# Altium PCB openmv-ae3.PcbDoc (part 1 of 7)
Units mil, origin at the board's own origin, x right, y up, seen from the top; angles counter-clockwise.
Board outline 1001 x 1001 mil, 8 copper layers (TOP, ART2, GND3, ART4, VCC5, GND6, ART7, BOTTOM), stack 65.6 mil thick; 246 components, 168 nets, 1013 pads, 1766 vias.
Unrouted connection lines stored in the file: 233.
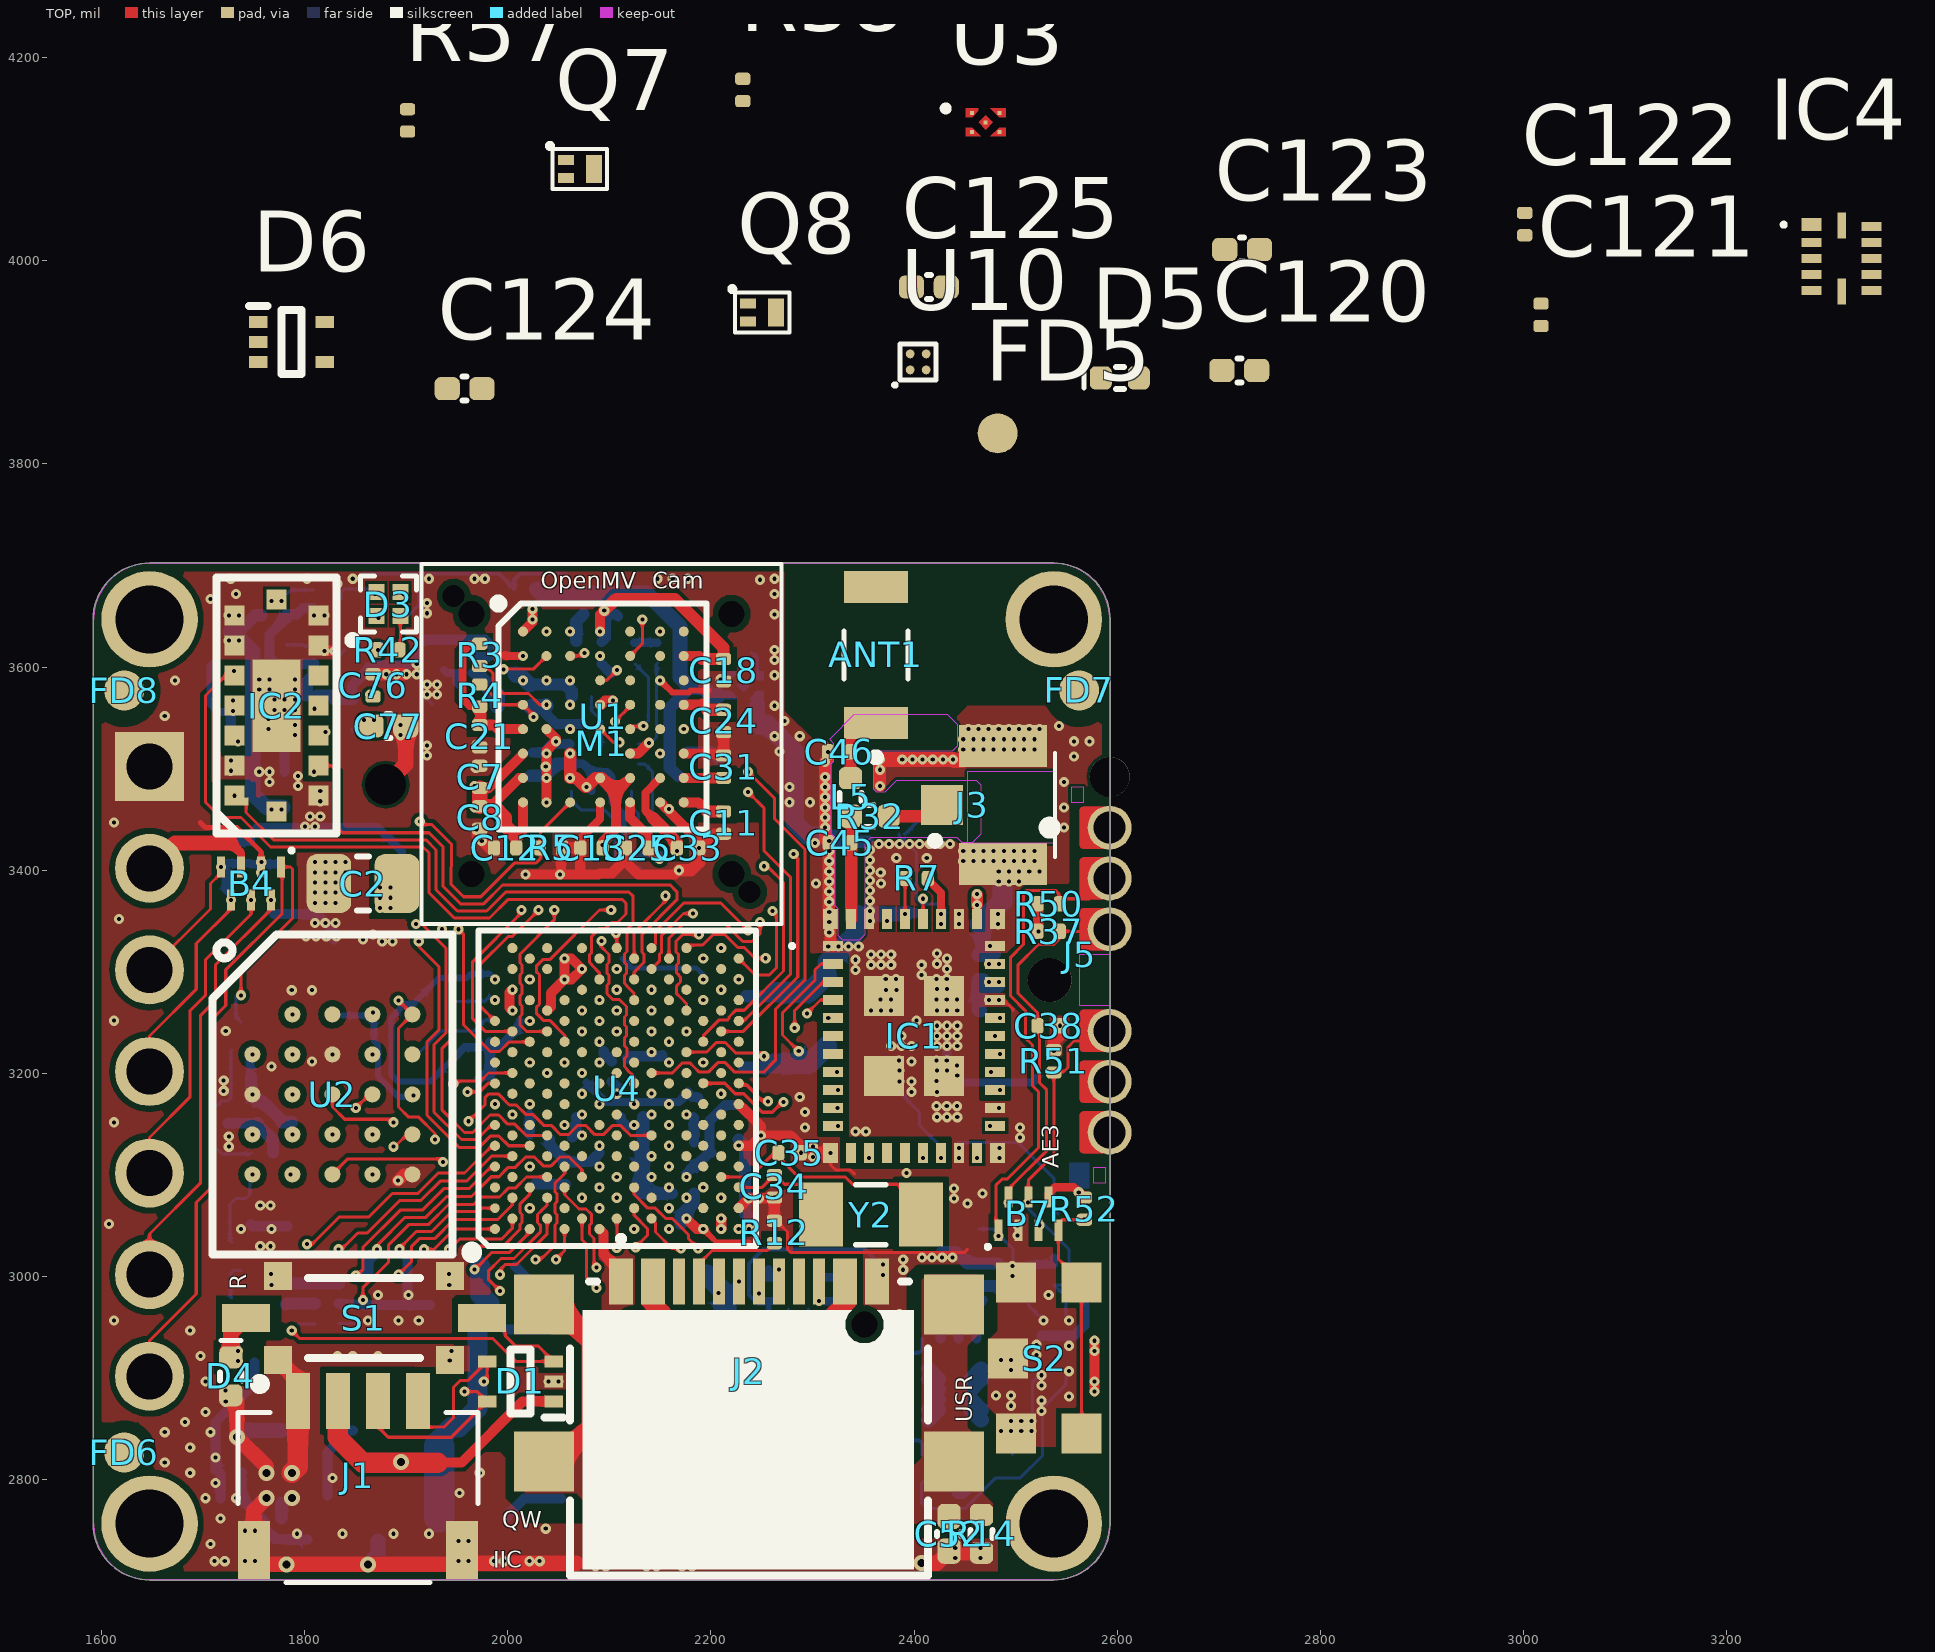
[diagram p0: TOP view]
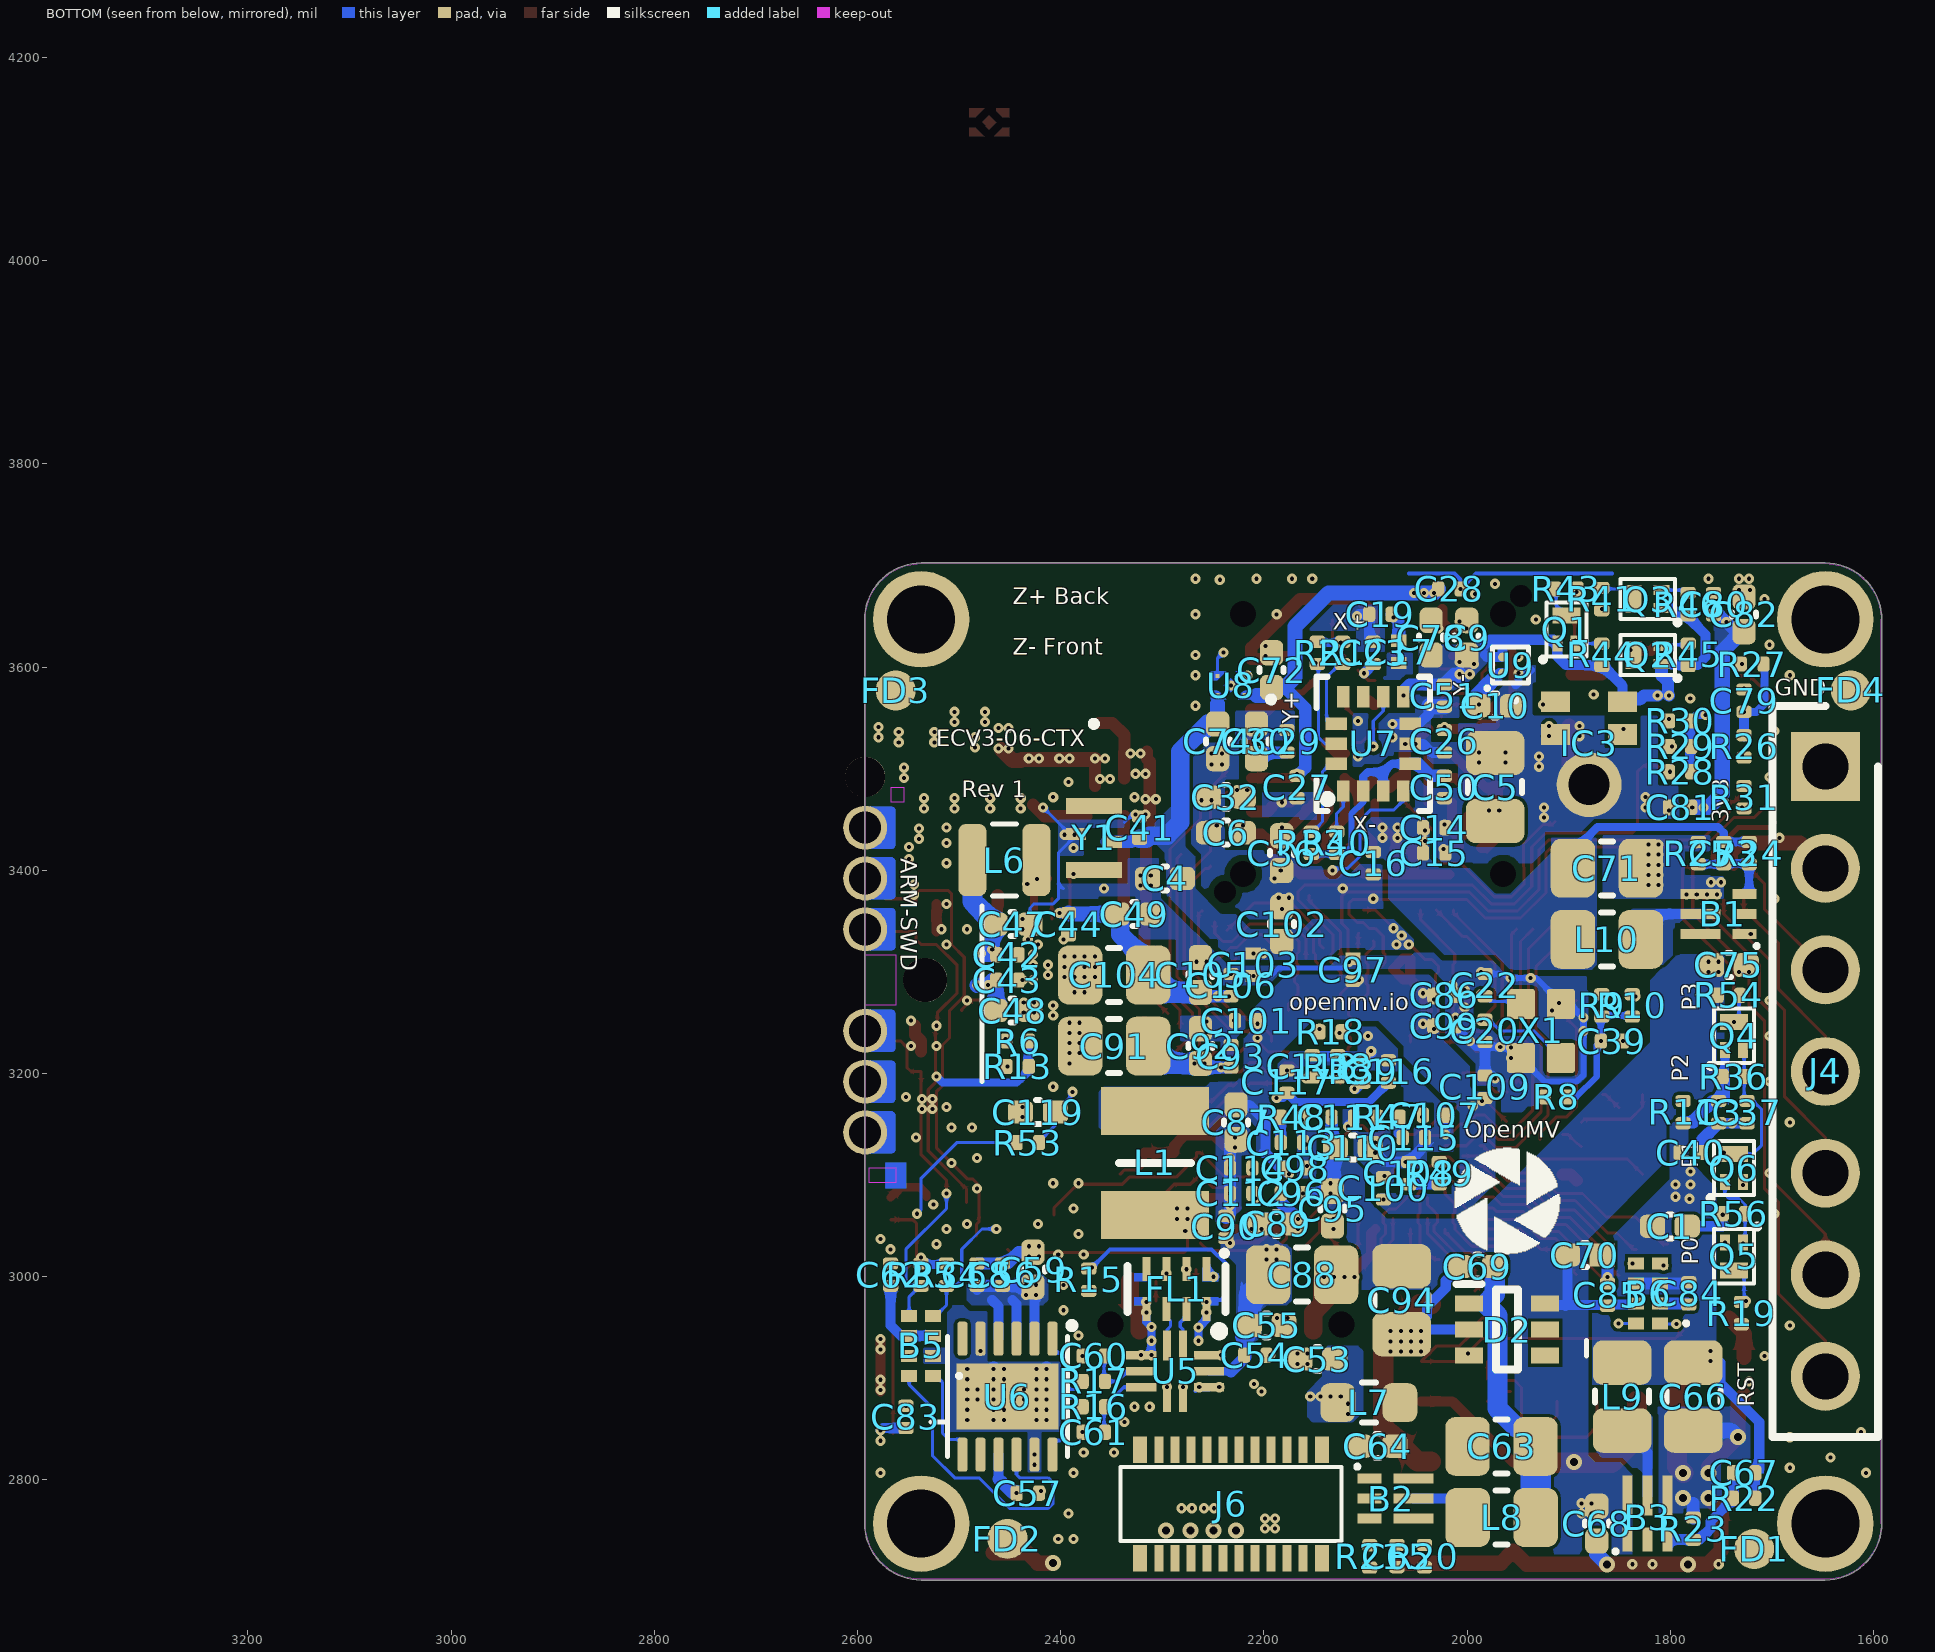
[diagram p1: BOTTOM view, seen from below]
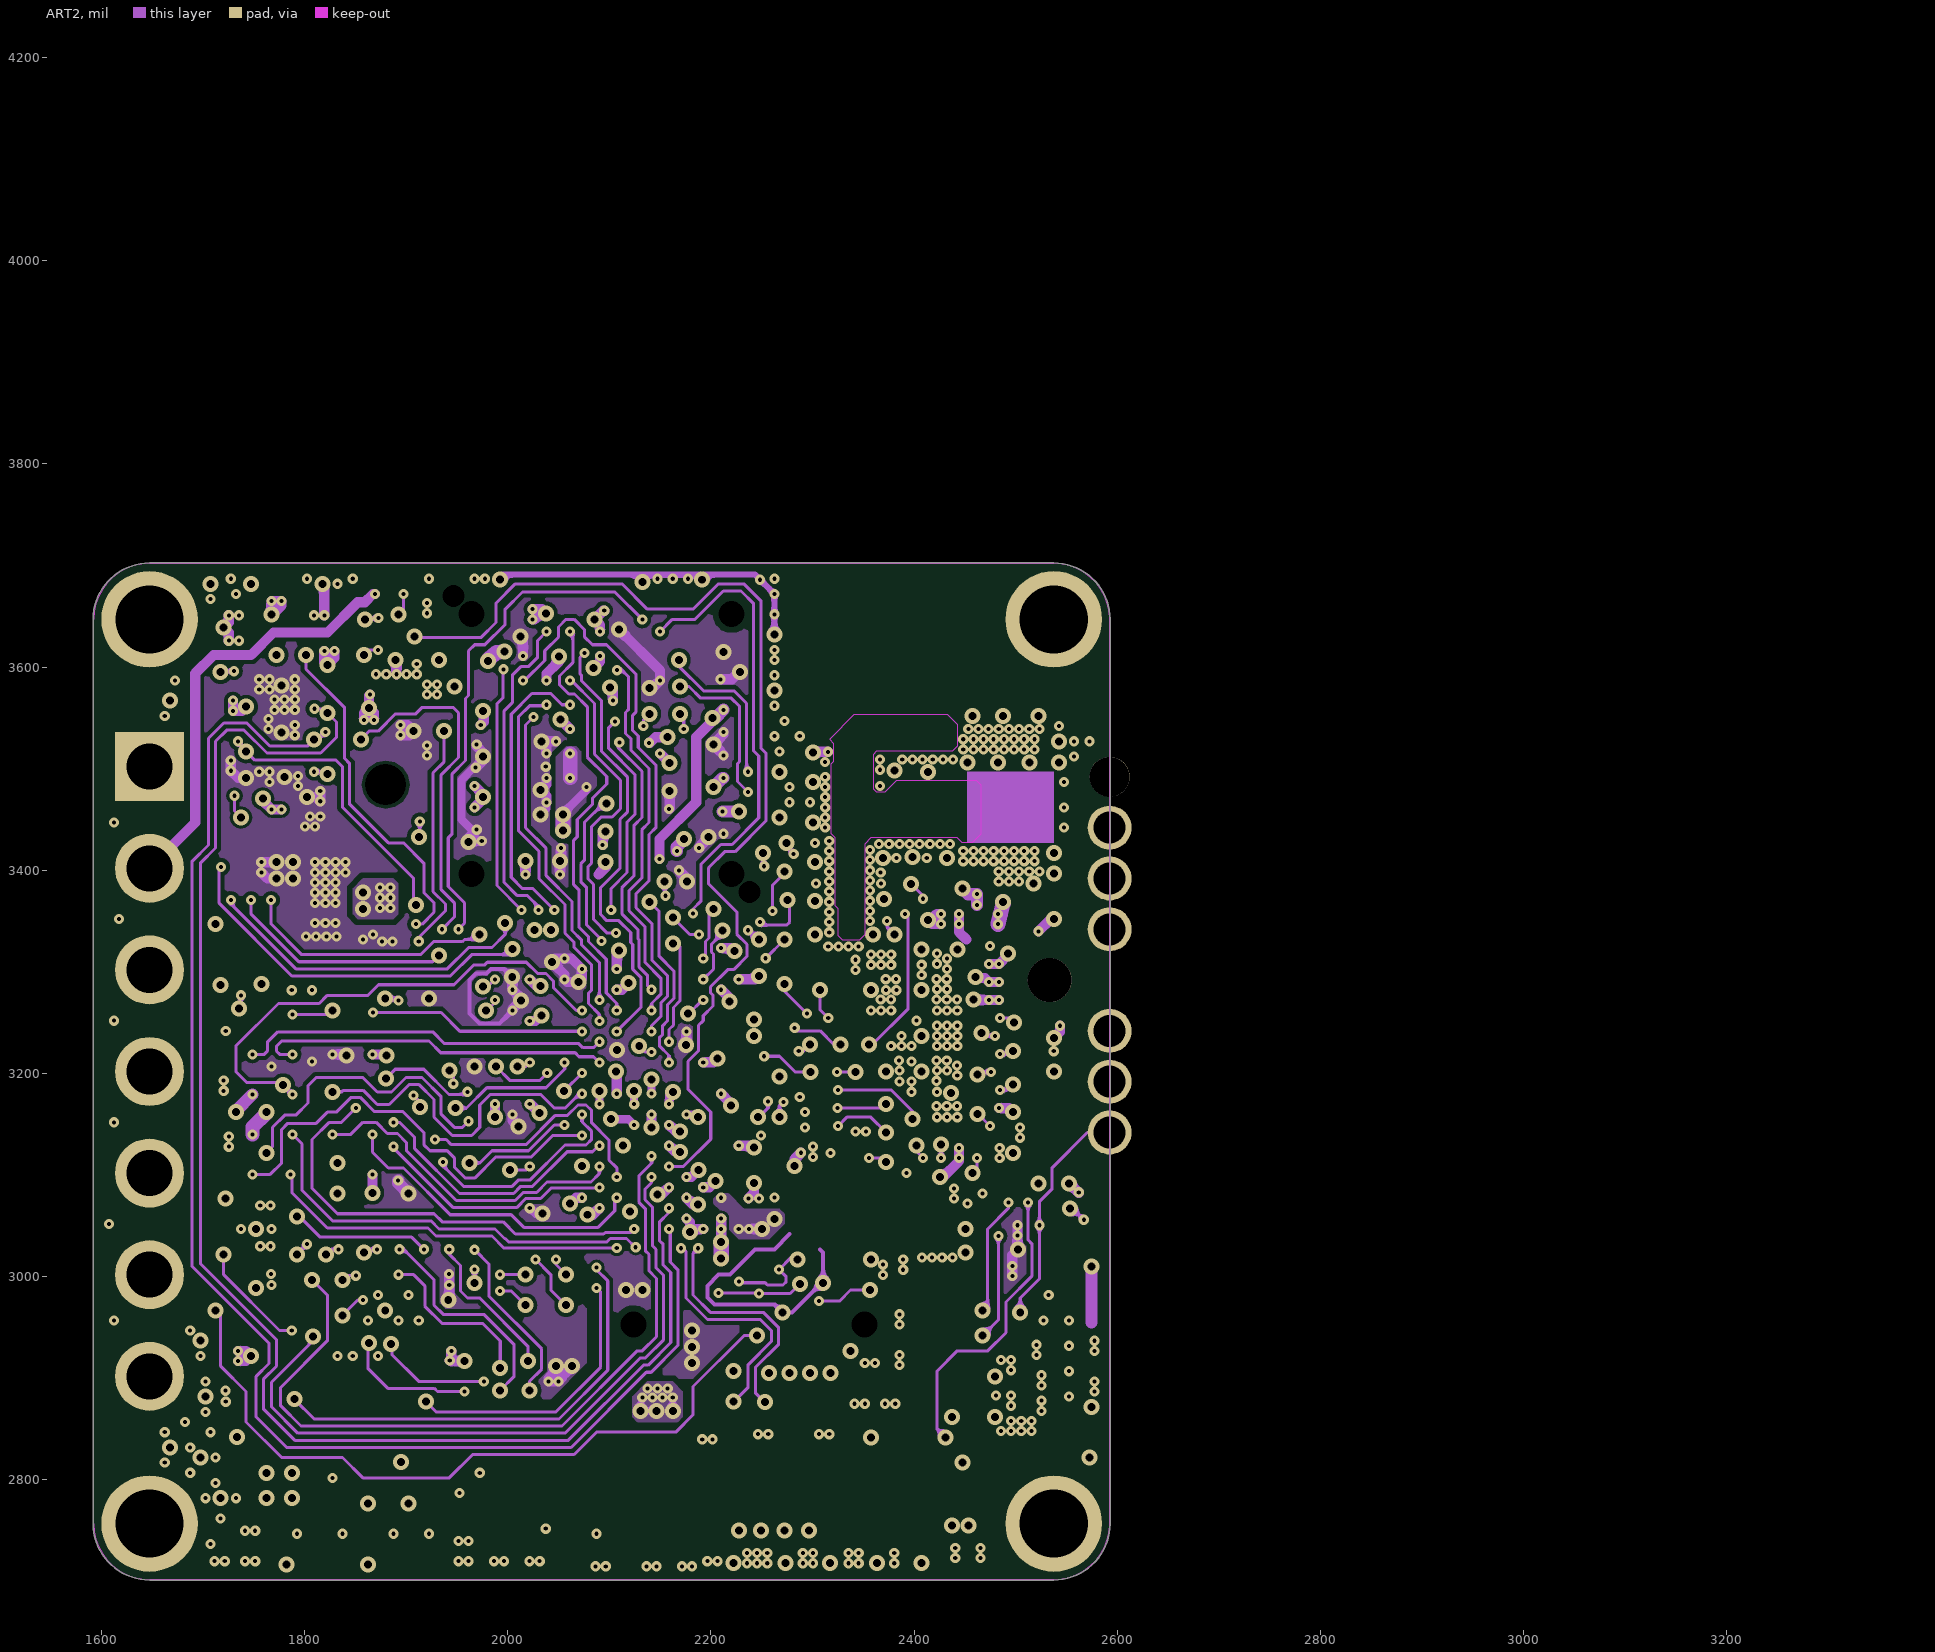
[diagram p2: ART2]
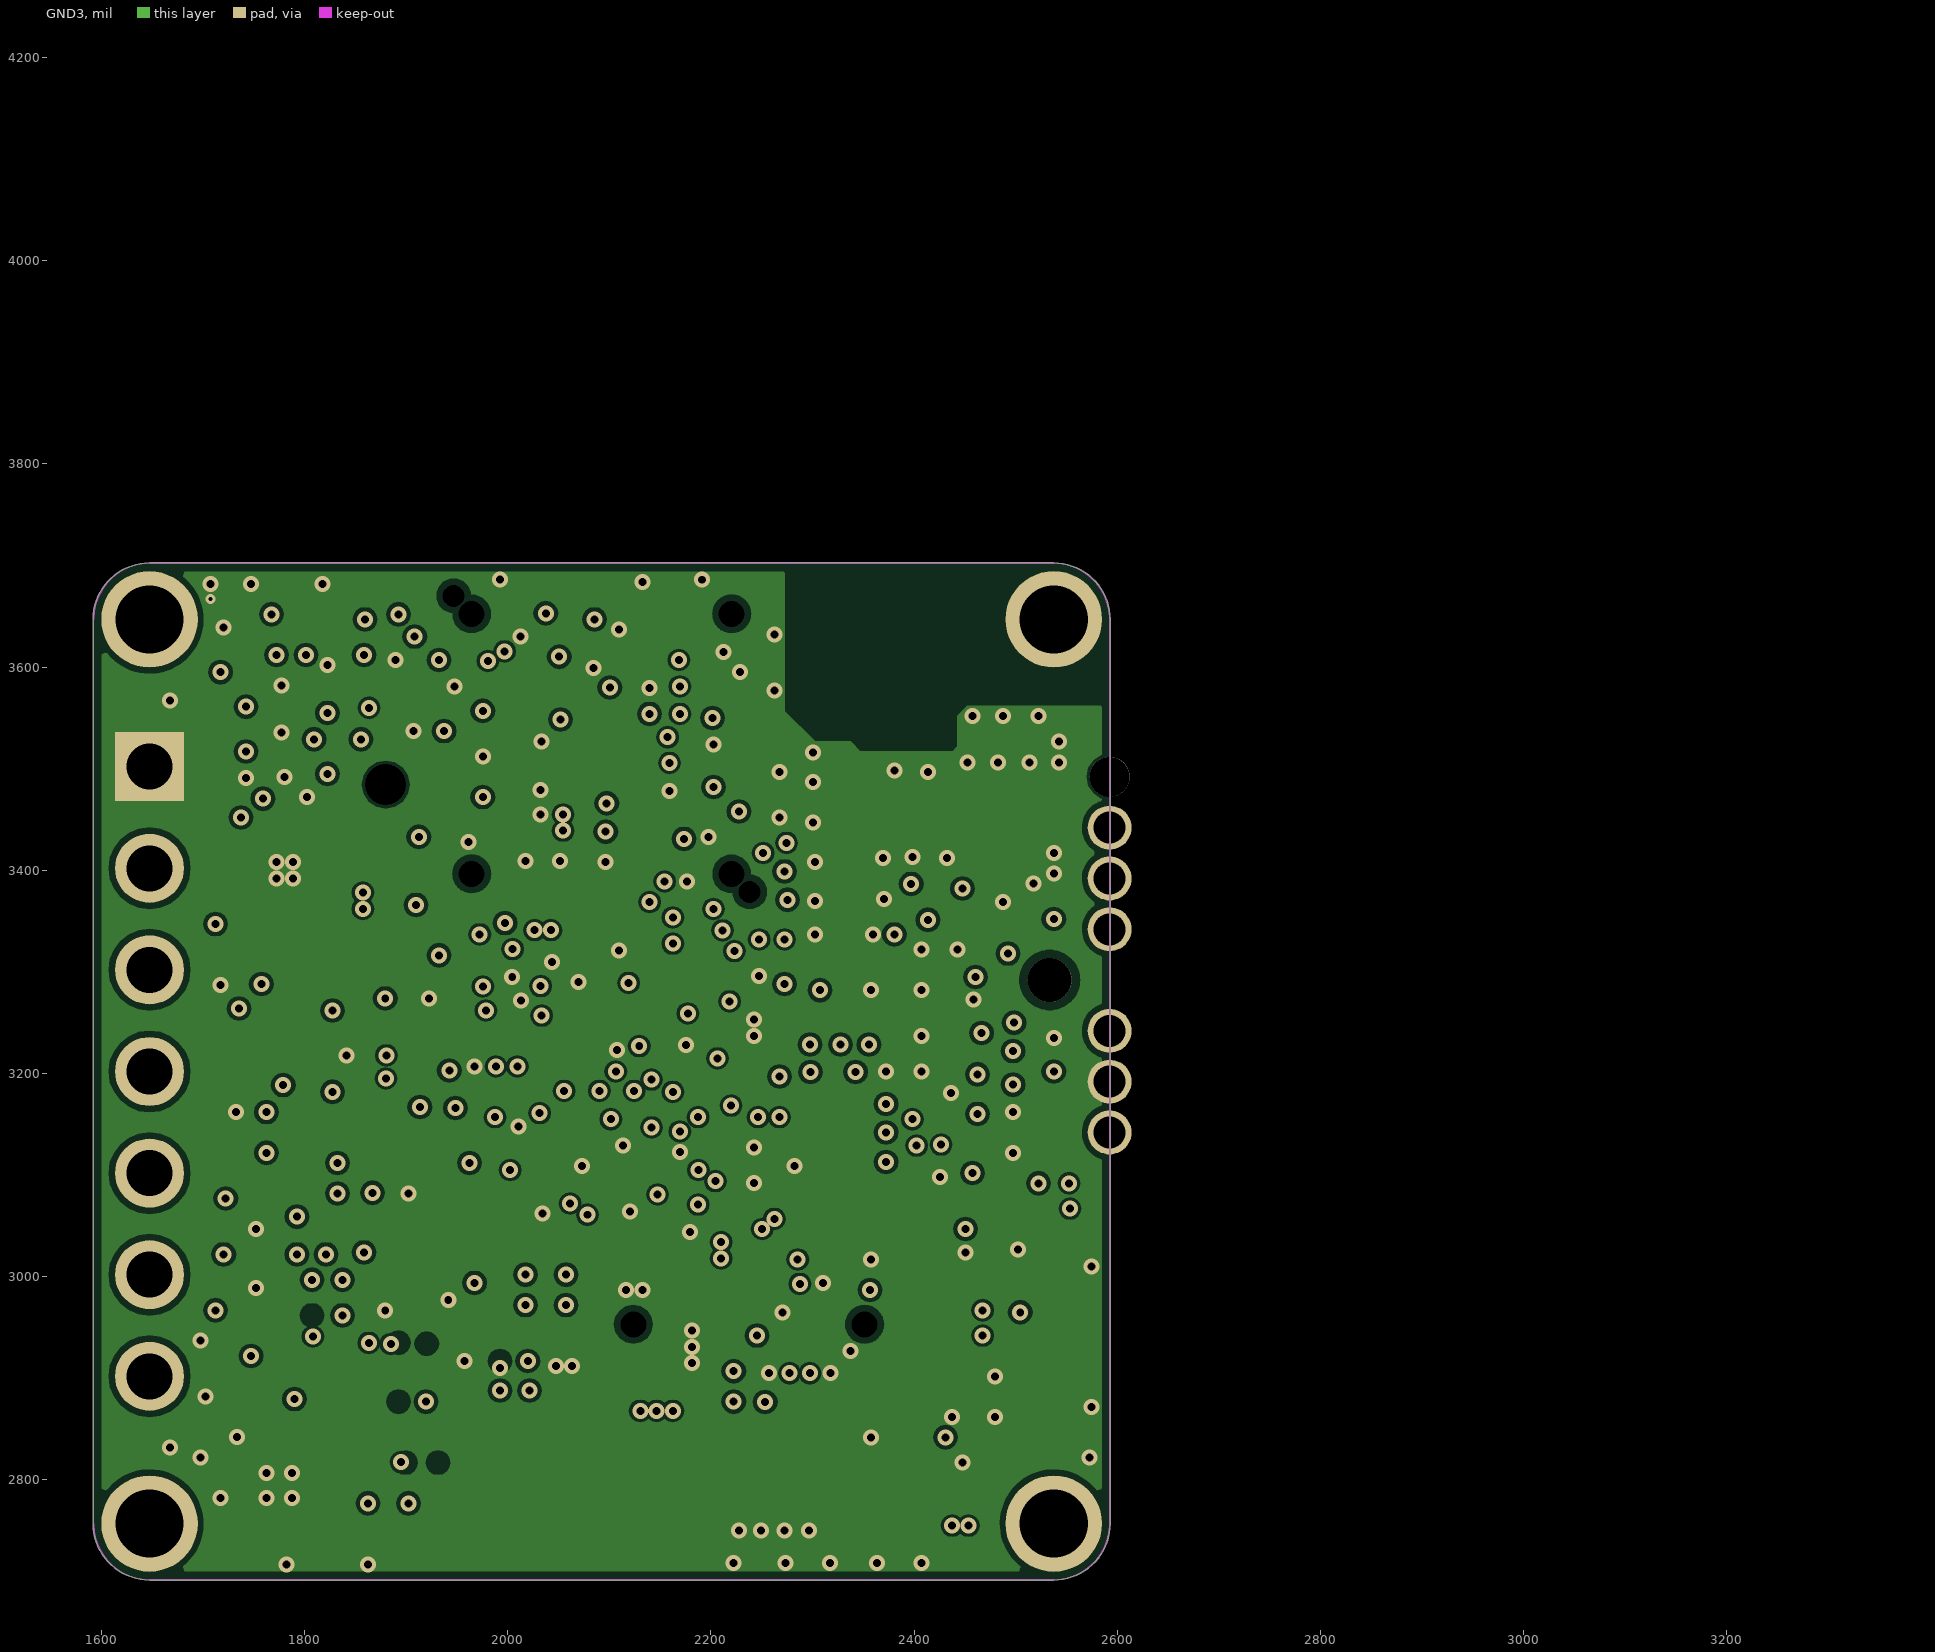
[diagram p3: GND3]